# KiCad board EOutside.kicad_pcb (continued)
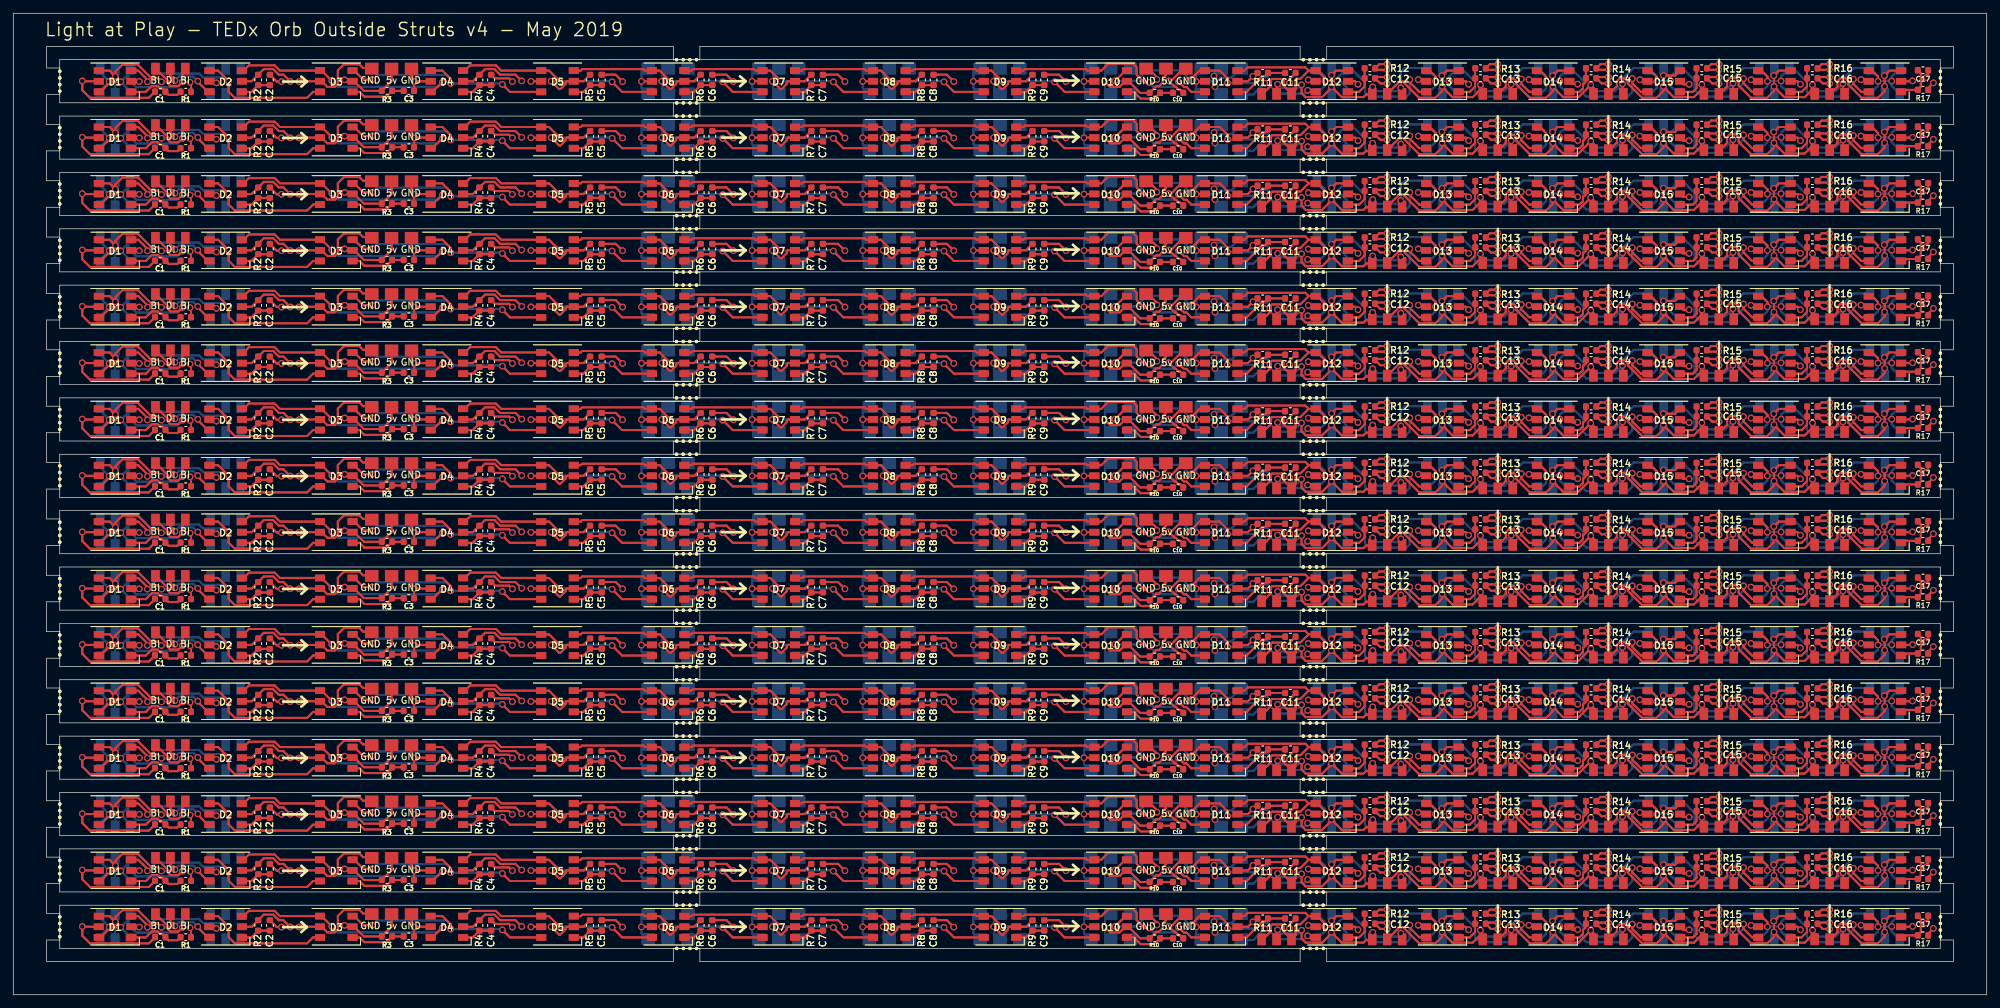
[diagram p0: board, top side]
## Routing (per net, layer and track width the routed paths; a pad name or vN(x,y) marks a point on that pad's centre or on a via; arc(x,y) is an arc through that point) (continued)
Net-(D16-Pad3): length 1778.9
  Top w0.3: 265.28,138.56 v1(265.25,138.59) ; 265.28,138.56 v1(265.28,136.97) ; 265.28,138.56 v1(265.25,138.59) ; 265.28,138.56 v1(265.28,136.97) ; v1(265.25,138.59) 265.75,139.09 ; v1(265.25,138.59) 265.75,139.09 ; v1(265.28,136.97) 265.28,136.27 ; v1(265.28,136.97) 265.28,136.27 ; 266,139.35 265.75,139.09 ; 266,139.35 D16.3 266,139.35 ; 266,139.35 265.75,139.09 ; 280.95,138.46 280.06,139.35 ; 280.95,138.46 v1(280.95,137.75) 280.95,138.46 ; 280.95,138.46 280.06,139.35 ; 280.06,139.35 279.55,139.35 280.06,139.35 ; 280.95,129.96 280.06,130.85 ; 280.95,129.96 v1(280.95,129.25) 280.95,129.96 ; 280.95,129.96 280.06,130.85 ; 280.06,130.85 279.55,130.85 280.06,130.85 ; 265.28,130.06 v1(265.25,130.09) ; 265.28,130.06 v1(265.28,128.47) ; 265.28,130.06 v1(265.28,128.47) ; 265.28,130.06 v1(265.25,130.09) ; v1(265.25,130.09) 265.75,130.59 ; v1(265.25,130.09) 265.75,130.59 ; v1(265.28,128.47) 265.28,127.77 ; v1(265.28,128.47) 265.28,127.77 ; 266,130.85 265.75,130.59 ; 266,130.85 D16#2.3 266,130.85 ; 266,130.85 265.75,130.59 ; 266.84,126.85 265.27,128.42 266.84,126.85 ; 266.84,126.85 269.9,126.85 ; 266.84,126.85 269.9,126.85 ; 271.08,128.02 v1(271.08,128.73) 271.08,128.02 ; 271.08,128.02 269.9,126.85 ; 271.08,128.02 269.9,126.85 ; 264.27,126.75 261.82,126.75 ; 264.27,126.75 265.28,127.77 ; 264.27,126.75 265.28,127.77 ; 264.27,126.75 261.82,126.75 ; 261.82,126.75 259.95,128.62 ; 261.82,126.75 259.95,128.62 ; 258.23,128.48 257,127.25 258.23,128.48 ; 258.23,128.48 258.23,129.35 ; 258.23,128.48 258.23,129.35 ; 259.95,129.34 259.54,129.75 ; 259.95,129.34 259.95,128.62 ; 259.95,129.34 259.95,128.62 ; 259.95,129.34 259.54,129.75 ; 259.54,129.75 258.63,129.75 ; 259.54,129.75 258.63,129.75 ; 258.63,129.75 258.23,129.35 ; 258.63,129.75 258.23,129.35 ; 275.68,127.49 275.92,127.25 275.68,127.49 ; 275.68,127.49 275.68,128.19 ; 275.68,127.49 275.68,128.19 ; 275.68,128.19 v1(275.68,128.9) 275.68,128.19 ; 280.95,121.46 280.06,122.35 ; 280.95,121.46 v1(280.95,120.75) 280.95,121.46 ; 280.95,121.46 280.06,122.35 ; 280.06,122.35 279.55,122.35 280.06,122.35 ; 265.28,121.56 v1(265.25,121.59) ; 265.28,121.56 v1(265.28,119.97) ; 265.28,121.56 v1(265.25,121.59) ; 265.28,121.56 v1(265.28,119.97) ; v1(265.25,121.59) 265.75,122.09 ; v1(265.25,121.59) 265.75,122.09 ; v1(265.28,119.97) 265.28,119.27 ; v1(265.28,119.97) 265.28,119.27 ; 266,122.35 265.75,122.09 ; 266,122.35 D16#3.3 266,122.35 ; 266,122.35 265.75,122.09 ; 266.84,118.35 265.27,119.92 266.84,118.35 ; 266.84,118.35 269.9,118.35 ; 266.84,118.35 269.9,118.35 ; 271.08,119.52 v1(271.08,120.23) 271.08,119.52 ; 271.08,119.52 269.9,118.35 ; 271.08,119.52 269.9,118.35 ; 264.27,118.25 261.82,118.25 ; 264.27,118.25 265.28,119.27 ; 264.27,118.25 261.82,118.25 ; 264.27,118.25 265.28,119.27 ; 261.82,118.25 259.95,120.12 ; 261.82,118.25 259.95,120.12 ; 258.23,119.98 257,118.75 258.23,119.98 ; 258.23,119.98 258.23,120.85 ; 258.23,119.98 258.23,120.85 ; 259.95,120.84 259.54,121.25 ; 259.95,120.84 259.95,120.12 ; 259.95,120.84 259.54,121.25 ; 259.95,120.84 259.95,120.12 ; 259.54,121.25 258.63,121.25 ; 259.54,121.25 258.63,121.25 ; 258.63,121.25 258.23,120.85 ; 258.63,121.25 258.23,120.85 ; 275.68,118.99 275.92,118.75 275.68,118.99 ; 275.68,118.99 275.68,119.69 ; 275.68,118.99 275.68,119.69 ; 275.68,119.69 v1(275.68,120.4) 275.68,119.69 ; 280.06,113.85 279.55,113.85 280.06,113.85 ; 280.06,113.85 280.95,112.96 ; 280.06,113.85 280.95,112.96 ; 266,113.85 265.75,113.59 ; 266,113.85 D16#4.3 266,113.85 ; 266,113.85 265.75,113.59 ; 265.75,113.59 v1(265.25,113.09) ; 265.75,113.59 v1(265.25,113.09) ; 275.68,111.19 v1(275.68,111.9) 275.68,111.19 ; 275.68,111.19 275.68,110.49 ; 275.68,111.19 275.68,110.49 ; v1(265.28,111.47) 265.28,113.06 ; v1(265.28,111.47) 265.28,110.77 ; v1(265.28,111.47) 265.28,113.06 ; v1(265.28,111.47) 265.28,110.77 ; 265.28,113.06 v1(265.25,113.09) ; 265.28,113.06 v1(265.25,113.09) ; 280.95,112.96 v1(280.95,112.25) 280.95,112.96 ; 275.68,110.49 275.92,110.25 275.68,110.49 ; 261.82,109.75 259.95,111.62 ; 261.82,109.75 264.27,109.75 ; 261.82,109.75 259.95,111.62 ; 261.82,109.75 264.27,109.75 ; 259.95,111.62 259.95,112.34 ; 259.95,111.62 259.95,112.34 ; 259.54,112.75 258.63,112.75 ; 259.54,112.75 259.95,112.34 ; 259.54,112.75 258.63,112.75 ; 259.54,112.75 259.95,112.34 ; 258.63,112.75 258.23,112.35 ; 258.63,112.75 258.23,112.35 ; 258.23,112.35 258.23,111.48 ; 258.23,112.35 258.23,111.48 ; 258.23,111.48 257,110.25 258.23,111.48 ; 265.28,110.77 264.27,109.75 ; 265.28,110.77 264.27,109.75 ; 266.84,109.85 269.9,109.85 ; 266.84,109.85 265.27,111.42 266.84,109.85 ; 266.84,109.85 269.9,109.85 ; 269.9,109.85 271.08,111.02 ; 269.9,109.85 271.08,111.02 ; 271.08,111.02 v1(271.08,111.73) 271.08,111.02 ; 266.84,135.35 265.27,136.92 266.84,135.35 ; 266.84,135.35 269.9,135.35 ; 266.84,135.35 269.9,135.35 ; 271.08,136.52 v1(271.08,137.23) 271.08,136.52 ; 271.08,136.52 269.9,135.35 ; 271.08,136.52 269.9,135.35 ; 264.27,135.25 261.82,135.25 ; 264.27,135.25 265.28,136.27 ; 264.27,135.25 261.82,135.25 ; 264.27,135.25 265.28,136.27 ; 261.82,135.25 259.95,137.12 ; 261.82,135.25 259.95,137.12 ; 258.23,136.98 257,135.75 258.23,136.98 ; 258.23,136.98 258.23,137.85 ; 258.23,136.98 258.23,137.85 ; 259.95,137.84 259.54,138.25 ; 259.95,137.84 259.95,137.12 ; 259.95,137.84 259.54,138.25 ; 259.95,137.84 259.95,137.12 ; 259.54,138.25 258.63,138.25 ; 259.54,138.25 258.63,138.25 ; 258.63,138.25 258.23,137.85 ; 258.63,138.25 258.23,137.85 ; 275.68,135.99 275.92,135.75 275.68,135.99 ; 275.68,135.99 275.68,136.69 ; 275.68,135.99 275.68,136.69 ; 275.68,136.69 v1(275.68,137.4) 275.68,136.69 ; 280.95,104.46 280.06,105.35 ; 280.95,104.46 v1(280.95,103.75) 280.95,104.46 ; 280.95,104.46 280.06,105.35 ; 280.06,105.35 279.55,105.35 280.06,105.35 ; 265.28,104.56 v1(265.25,104.59) ; 265.28,104.56 v1(265.28,102.97) ; 265.28,104.56 v1(265.28,102.97) ; 265.28,104.56 v1(265.25,104.59) ; v1(265.25,104.59) 265.75,105.09 ; v1(265.25,104.59) 265.75,105.09 ; v1(265.28,102.97) 265.28,102.27 ; v1(265.28,102.97) 265.28,102.27 ; 266,105.35 265.75,105.09 ; 266,105.35 D16#11.3 266,105.35 ; 266,105.35 265.75,105.09 ; 266.84,101.35 265.27,102.92 266.84,101.35 ; 266.84,101.35 269.9,101.35 ; 266.84,101.35 269.9,101.35 ; 271.08,102.52 v1(271.08,103.23) 271.08,102.52 ; 271.08,102.52 269.9,101.35 ; 271.08,102.52 269.9,101.35 ; 264.27,101.25 261.82,101.25 ; 264.27,101.25 265.28,102.27 ; 264.27,101.25 261.82,101.25 ; 264.27,101.25 265.28,102.27 ; 261.82,101.25 259.95,103.12 ; 261.82,101.25 259.95,103.12 ; 258.23,102.98 257,101.75 258.23,102.98 ; 258.23,102.98 258.23,103.85 ; 258.23,102.98 258.23,103.85 ; 259.95,103.84 259.54,104.25 ; 259.95,103.84 259.95,103.12 ; 259.95,103.84 259.54,104.25 ; 259.95,103.84 259.95,103.12 ; 259.54,104.25 258.63,104.25 ; 259.54,104.25 258.63,104.25 ; 258.63,104.25 258.23,103.85 ; 258.63,104.25 258.23,103.85 ; 275.68,101.99 275.92,101.75 275.68,101.99 ; 275.68,101.99 275.68,102.69 ; 275.68,101.99 275.68,102.69 ; 275.68,102.69 v1(275.68,103.4) 275.68,102.69 ; 280.06,96.85 279.55,96.85 280.06,96.85 ; 280.06,96.85 280.95,95.96 ; 280.06,96.85 280.95,95.96 ; 266,96.85 265.75,96.59 ; 266,96.85 D16#13.3 266,96.85 ; 266,96.85 265.75,96.59 ; 265.75,96.59 v1(265.25,96.09) ; 265.75,96.59 v1(265.25,96.09) ; 275.68,94.19 v1(275.68,94.9) 275.68,94.19 ; 275.68,94.19 275.68,93.49 ; 275.68,94.19 275.68,93.49 ; v1(265.28,94.47) 265.28,96.06 ; v1(265.28,94.47) 265.28,93.77 ; v1(265.28,94.47) 265.28,93.77 ; v1(265.28,94.47) 265.28,96.06 ; 265.28,96.06 v1(265.25,96.09) ; 265.28,96.06 v1(265.25,96.09) ; 280.95,95.96 v1(280.95,95.25) 280.95,95.96 ; 275.68,93.49 275.92,93.25 275.68,93.49 ; 261.82,92.75 259.95,94.62 ; 261.82,92.75 264.27,92.75 ; 261.82,92.75 259.95,94.62 ; 261.82,92.75 264.27,92.75 ; 259.95,94.62 259.95,95.34 ; 259.95,94.62 259.95,95.34 ; 259.54,95.75 258.63,95.75 ; 259.54,95.75 259.95,95.34 ; 259.54,95.75 258.63,95.75 ; 259.54,95.75 259.95,95.34 ; 258.63,95.75 258.23,95.35 ; 258.63,95.75 258.23,95.35 ; 258.23,95.35 258.23,94.48 ; 258.23,95.35 258.23,94.48 ; 258.23,94.48 257,93.25 258.23,94.48 ; 265.28,93.77 264.27,92.75 ; 265.28,93.77 264.27,92.75 ; 266.84,92.85 269.9,92.85 ; 266.84,92.85 265.27,94.42 266.84,92.85 ; 266.84,92.85 269.9,92.85 ; 269.9,92.85 271.08,94.02 ; 269.9,92.85 271.08,94.02 ; 271.08,94.02 v1(271.08,94.73) 271.08,94.02 ; 280.06,79.85 279.55,79.85 280.06,79.85 ; 280.06,79.85 280.95,78.96 ; 280.06,79.85 280.95,78.96 ; 266,79.85 265.75,79.59 ; 266,79.85 D16#10.3 266,79.85 ; 266,79.85 265.75,79.59 ; 265.75,79.59 v1(265.25,79.09) ; 265.75,79.59 v1(265.25,79.09) ; 275.68,77.19 v1(275.68,77.9) 275.68,77.19 ; 275.68,77.19 275.68,76.49 ; 275.68,77.19 275.68,76.49 ; v1(265.28,77.47) 265.28,79.06 ; v1(265.28,77.47) 265.28,76.77 ; v1(265.28,77.47) 265.28,79.06 ; v1(265.28,77.47) 265.28,76.77 ; 265.28,79.06 v1(265.25,79.09) ; 265.28,79.06 v1(265.25,79.09) ; 280.95,78.96 v1(280.95,78.25) 280.95,78.96 ; 275.68,76.49 275.92,76.25 275.68,76.49 ; 261.82,75.75 259.95,77.62 ; 261.82,75.75 264.27,75.75 ; 261.82,75.75 259.95,77.62 ; 261.82,75.75 264.27,75.75 ; 259.95,77.62 259.95,78.34 ; 259.95,77.62 259.95,78.34 ; 259.54,78.75 258.63,78.75 ; 259.54,78.75 259.95,78.34 ; 259.54,78.75 258.63,78.75 ; 259.54,78.75 259.95,78.34 ; 258.63,78.75 258.23,78.35 ; 258.63,78.75 258.23,78.35 ; 258.23,78.35 258.23,77.48 ; 258.23,78.35 258.23,77.48 ; 258.23,77.48 257,76.25 258.23,77.48 ; 265.28,76.77 264.27,75.75 ; 265.28,76.77 264.27,75.75 ; 266.84,75.85 269.9,75.85 ; 266.84,75.85 265.27,77.42 266.84,75.85 ; 266.84,75.85 269.9,75.85 ; 269.9,75.85 271.08,77.02 ; 269.9,75.85 271.08,77.02 ; 271.08,77.02 v1(271.08,77.73) 271.08,77.02 ; 280.95,87.46 280.06,88.35 ; 280.95,87.46 v1(280.95,86.75) 280.95,87.46 ; 280.95,87.46 280.06,88.35 ; 280.06,88.35 279.55,88.35 280.06,88.35 ; 265.28,87.56 v1(265.25,87.59) ; 265.28,87.56 v1(265.28,85.97) ; 265.28,87.56 v1(265.25,87.59) ; 265.28,87.56 v1(265.28,85.97) ; v1(265.25,87.59) 265.75,88.09 ; v1(265.25,87.59) 265.75,88.09 ; v1(265.28,85.97) 265.28,85.27 ; v1(265.28,85.97) 265.28,85.27 ; 266,88.35 265.75,88.09 ; 266,88.35 D16#9.3 266,88.35 ; 266,88.35 265.75,88.09 ; 266.84,84.35 265.27,85.92 266.84,84.35 ; 266.84,84.35 269.9,84.35 ; 266.84,84.35 269.9,84.35 ; 271.08,85.52 v1(271.08,86.23) 271.08,85.52 ; 271.08,85.52 269.9,84.35 ; 271.08,85.52 269.9,84.35 ; 264.27,84.25 261.82,84.25 ; 264.27,84.25 265.28,85.27 ; 264.27,84.25 261.82,84.25 ; 264.27,84.25 265.28,85.27 ; 261.82,84.25 259.95,86.12 ; 261.82,84.25 259.95,86.12 ; 258.23,85.98 257,84.75 258.23,85.98 ; 258.23,85.98 258.23,86.85 ; 258.23,85.98 258.23,86.85 ; 259.95,86.84 259.54,87.25 ; 259.95,86.84 259.95,86.12 ; 259.95,86.84 259.54,87.25 ; 259.95,86.84 259.95,86.12 ; 259.54,87.25 258.63,87.25 ; 259.54,87.25 258.63,87.25 ; 258.63,87.25 258.23,86.85 ; 258.63,87.25 258.23,86.85 ; 275.68,84.99 275.92,84.75 275.68,84.99 ; 275.68,84.99 275.68,85.69 ; 275.68,84.99 275.68,85.69 ; 275.68,85.69 v1(275.68,86.4) 275.68,85.69 ; 258.23,52.85 258.23,51.98 ; 258.23,52.85 258.63,53.25 ; 258.23,52.85 258.63,53.25 ; 258.23,52.85 258.23,51.98 ; 258.23,51.98 257,50.75 258.23,51.98 ; 259.95,52.12 259.95,52.84 ; 259.95,52.12 261.82,50.25 ; 259.95,52.12 259.95,52.84 ; 259.95,52.12 261.82,50.25 ; 259.95,52.84 259.54,53.25 ; 259.95,52.84 259.54,53.25 ; 258.63,53.25 259.54,53.25 ; 258.63,53.25 259.54,53.25 ; 265.28,51.27 264.27,50.25 ; 265.28,51.27 v1(265.28,51.97) ; 265.28,51.27 v1(265.28,51.97) ; 265.28,51.27 264.27,50.25 ; 264.27,50.25 261.82,50.25 ; 264.27,50.25 261.82,50.25 ; v1(265.28,51.97) 265.28,53.56 ; v1(265.28,51.97) 265.28,53.56 ; 266.84,50.35 269.9,50.35 ; 266.84,50.35 265.27,51.92 266.84,50.35 ; 266.84,50.35 269.9,50.35 ; 269.9,50.35 271.08,51.52 ; 269.9,50.35 271.08,51.52 ; 271.08,51.52 v1(271.08,52.23) 271.08,51.52 ; 275.68,51.69 v1(275.68,52.4) 275.68,51.69 ; 275.68,51.69 275.68,50.99 ; 275.68,51.69 275.68,50.99 ; 275.68,50.99 275.92,50.75 275.68,50.99 ; 280.95,70.46 280.06,71.35 ; 280.95,70.46 v1(280.95,69.75) 280.95,70.46 ; 280.95,70.46 280.06,71.35 ; 280.06,71.35 279.55,71.35 280.06,71.35 ; 266.84,67.35 269.9,67.35 ; 266.84,67.35 265.27,68.92 266.84,67.35 ; 266.84,67.35 269.9,67.35 ; 269.9,67.35 271.08,68.52 ; 269.9,67.35 271.08,68.52 ; 264.27,67.25 261.82,67.25 ; 264.27,67.25 265.28,68.27 ; 264.27,67.25 261.82,67.25 ; 264.27,67.25 265.28,68.27 ; 261.82,67.25 259.95,69.12 ; 261.82,67.25 259.95,69.12 ; 258.63,70.25 258.23,69.85 ; 258.63,70.25 259.54,70.25 ; 258.63,70.25 258.23,69.85 ; 258.63,70.25 259.54,70.25 ; 258.23,69.85 258.23,68.98 ; 258.23,69.85 258.23,68.98 ; 271.08,68.52 v1(271.08,69.23) 271.08,68.52 ; 259.95,69.12 259.95,69.84 ; 259.95,69.12 259.95,69.84 ; 259.95,69.84 259.54,70.25 ; 259.95,69.84 259.54,70.25 ; v1(265.28,68.97) 265.28,68.27 ; v1(265.28,68.97) 265.28,70.56 ; v1(265.28,68.97) 265.28,70.56 ; v1(265.28,68.97) 265.28,68.27 ; 258.23,68.98 257,67.75 258.23,68.98 ; 275.68,67.99 275.92,67.75 275.68,67.99 ; 275.68,67.99 275.68,68.69 ; 275.68,67.99 275.68,68.69 ; 275.68,68.69 v1(275.68,69.4) 275.68,68.69 ; 280.06,62.85 279.55,62.85 280.06,62.85 ; 280.06,62.85 280.95,61.96 ; 280.06,62.85 280.95,61.96 ; 266,62.85 265.75,62.59 ; 266,62.85 D16#17.3 266,62.85 ; 266,62.85 265.75,62.59 ; 265.75,62.59 v1(265.25,62.09) ; 265.75,62.59 v1(265.25,62.09) ; 275.68,60.19 v1(275.68,60.9) 275.68,60.19 ; 275.68,60.19 275.68,59.49 ; 275.68,60.19 275.68,59.49 ; v1(265.28,60.47) 265.28,62.06 ; v1(265.28,60.47) 265.28,59.77 ; v1(265.28,60.47) 265.28,59.77 ; v1(265.28,60.47) 265.28,62.06 ; 265.28,62.06 v1(265.25,62.09) ; 265.28,62.06 v1(265.25,62.09) ; 280.95,61.96 v1(280.95,61.25) 280.95,61.96 ; 275.68,59.49 275.92,59.25 275.68,59.49 ; 261.82,58.75 259.95,60.62 ; 261.82,58.75 264.27,58.75 ; 261.82,58.75 259.95,60.62 ; 261.82,58.75 264.27,58.75 ; 259.95,60.62 259.95,61.34 ; 259.95,60.62 259.95,61.34 ; 259.54,61.75 258.63,61.75 ; 259.54,61.75 259.95,61.34 ; 259.54,61.75 258.63,61.75 ; 259.54,61.75 259.95,61.34 ; 258.63,61.75 258.23,61.35 ; 258.63,61.75 258.23,61.35 ; 258.23,61.35 258.23,60.48 ; 258.23,61.35 258.23,60.48 ; 258.23,60.48 257,59.25 258.23,60.48 ; 265.28,59.77 264.27,58.75 ; 265.28,59.77 264.27,58.75 ; 266.84,58.85 269.9,58.85 ; 266.84,58.85 265.27,60.42 266.84,58.85 ; 266.84,58.85 269.9,58.85 ; 269.9,58.85 271.08,60.02 ; 269.9,58.85 271.08,60.02 ; 271.08,60.02 v1(271.08,60.73) 271.08,60.02 ; 265.75,71.09 v1(265.25,70.59) ; 265.75,71.09 266,71.35 ; 265.75,71.09 266,71.35 ; 265.75,71.09 v1(265.25,70.59) ; v1(265.25,70.59) 265.28,70.56 ; v1(265.25,70.59) 265.28,70.56 ; 266,71.35 D16#21.3 266,71.35 ; 280.06,45.85 279.55,45.85 280.06,45.85 ; 280.06,45.85 280.95,44.96 ; 280.06,45.85 280.95,44.96 ; 266,45.85 265.75,45.59 ; 266,45.85 D16#18.3 266,45.85 ; 266,45.85 265.75,45.59 ; 265.75,45.59 v1(265.25,45.09) ; 265.75,45.59 v1(265.25,45.09) ; 275.68,43.19 v1(275.68,43.9) 275.68,43.19 ; 275.68,43.19 275.68,42.49 ; 275.68,43.19 275.68,42.49 ; v1(265.28,43.47) 265.28,45.06 ; v1(265.28,43.47) 265.28,42.77 ; v1(265.28,43.47) 265.28,45.06 ; v1(265.28,43.47) 265.28,42.77 ; 265.28,45.06 v1(265.25,45.09) ; 265.28,45.06 v1(265.25,45.09) ; 280.95,44.96 v1(280.95,44.25) 280.95,44.96 ; 275.68,42.49 275.92,42.25 275.68,42.49 ; 261.82,41.75 259.95,43.62 ; 261.82,41.75 264.27,41.75 ; 261.82,41.75 259.95,43.62 ; 261.82,41.75 264.27,41.75 ; 259.95,43.62 259.95,44.34 ; 259.95,43.62 259.95,44.34 ; 259.54,44.75 258.63,44.75 ; 259.54,44.75 259.95,44.34 ; 259.54,44.75 258.63,44.75 ; 259.54,44.75 259.95,44.34 ; 258.63,44.75 258.23,44.35 ; 258.63,44.75 258.23,44.35 ; 258.23,44.35 258.23,43.48 ; 258.23,44.35 258.23,43.48 ; 258.23,43.48 257,42.25 258.23,43.48 ; 265.28,42.77 264.27,41.75 ; 265.28,42.77 264.27,41.75 ; 266.84,41.85 269.9,41.85 ; 266.84,41.85 265.27,43.42 266.84,41.85 ; 266.84,41.85 269.9,41.85 ; 269.9,41.85 271.08,43.02 ; 269.9,41.85 271.08,43.02 ; 271.08,43.02 v1(271.08,43.73) 271.08,43.02 ; 280.95,53.46 280.06,54.35 ; 280.95,53.46 v1(280.95,52.75) 280.95,53.46 ; 280.95,53.46 280.06,54.35 ; 280.06,54.35 279.55,54.35 280.06,54.35 ; 265.28,53.56 v1(265.25,53.59) ; 265.28,53.56 v1(265.25,53.59) ; v1(265.25,53.59) 265.75,54.09 ; v1(265.25,53.59) 265.75,54.09 ; 266,54.35 265.75,54.09 ; 266,54.35 D16#20.3 266,54.35 ; 266,54.35 265.75,54.09 ; 266,20.35 D16#28.3 266,20.35 ; 266,20.35 265.75,20.09 ; 266,20.35 265.75,20.09 ; 265.75,20.09 v1(265.25,19.59) ; 265.75,20.09 v1(265.25,19.59) ; v1(265.25,19.59) 265.28,19.56 ; v1(265.25,19.59) 265.28,19.56 ; v1(265.28,17.97) 265.28,19.56 ; v1(265.28,17.97) 265.28,17.27 ; v1(265.28,17.97) 265.28,19.56 ; v1(265.28,17.97) 265.28,17.27 ; 280.95,19.46 v1(280.95,18.75) 280.95,19.46 ; 280.95,19.46 280.06,20.35 ; 280.95,19.46 280.06,20.35 ; 280.06,20.35 279.55,20.35 280.06,20.35 ; 266.84,7.85 265.27,9.42 266.84,7.85 ; 266.84,7.85 269.9,7.85 ; 266.84,7.85 269.9,7.85 ; 280.95,10.96 280.06,11.85 ; 280.95,10.96 v1(280.95,10.25) 280.95,10.96 ; 280.95,10.96 280.06,11.85 ; 280.06,11.85 279.55,11.85 280.06,11.85 ; 265.28,11.06 v1(265.25,11.09) ; 265.28,11.06 v1(265.28,9.47) ; 265.28,11.06 v1(265.25,11.09) ; 265.28,11.06 v1(265.28,9.47) ; v1(265.25,11.09) 265.75,11.59 ; v1(265.25,11.09) 265.75,11.59 ; 266.84,33.35 265.27,34.92 266.84,33.35 ; 266.84,33.35 269.9,33.35 ; 266.84,33.35 269.9,33.35 ; 271.08,34.52 v1(271.08,35.23) 271.08,34.52 ; 271.08,34.52 269.9,33.35 ; 271.08,34.52 269.9,33.35 ; 264.27,33.25 261.82,33.25 ; 264.27,33.25 265.28,34.27 ; 264.27,33.25 261.82,33.25 ; 264.27,33.25 265.28,34.27 ; 261.82,33.25 259.95,35.12 ; 261.82,33.25 259.95,35.12 ; 258.23,34.98 257,33.75 258.23,34.98 ; 258.23,34.98 258.23,35.85 ; 258.23,34.98 258.23,35.85 ; v1(265.28,34.97) 265.28,34.27 ; v1(265.28,34.97) 265.28,36.56 ; v1(265.28,34.97) 265.28,36.56 ; v1(265.28,34.97) 265.28,34.27 ; 259.95,35.84 259.54,36.25 ; 259.95,35.84 259.95,35.12 ; 259.95,35.84 259.95,35.12 ; 259.95,35.84 259.54,36.25 ; 259.54,36.25 258.63,36.25 ; 259.54,36.25 258.63,36.25 ; 258.63,36.25 258.23,35.85 ; 258.63,36.25 258.23,35.85 ; 275.68,33.99 275.92,33.75 275.68,33.99 ; 275.68,33.99 275.68,34.69 ; 275.68,33.99 275.68,34.69 ; 275.68,34.69 v1(275.68,35.4) 275.68,34.69 ; 280.95,36.46 280.06,37.35 ; 280.95,36.46 v1(280.95,35.75) 280.95,36.46 ; 280.95,36.46 280.06,37.35 ; 280.06,37.35 279.55,37.35 280.06,37.35 ; 265.28,36.56 v1(265.25,36.59) ; 265.28,36.56 v1(265.25,36.59) ; 266,37.35 265.75,37.09 ; 266,37.35 D16#27.3 266,37.35 ; 266,37.35 265.75,37.09 ; 265.75,37.09 v1(265.25,36.59) ; 265.75,37.09 v1(265.25,36.59) ; 275.68,17.69 v1(275.68,18.4) 275.68,17.69 ; 275.68,17.69 275.68,16.99 ; 275.68,17.69 275.68,16.99 ; 275.68,16.99 275.92,16.75 275.68,16.99 ; 266.84,16.35 265.27,17.92 266.84,16.35 ; 266.84,16.35 269.9,16.35 ; 266.84,16.35 269.9,16.35 ; 271.08,17.52 v1(271.08,18.23) 271.08,17.52 ; 271.08,17.52 269.9,16.35 ; 271.08,17.52 269.9,16.35 ; 264.27,16.25 261.82,16.25 ; 264.27,16.25 265.28,17.27 ; 264.27,16.25 261.82,16.25 ; 264.27,16.25 265.28,17.27 ; 261.82,16.25 259.95,18.12 ; 261.82,16.25 259.95,18.12 ; 258.23,17.98 257,16.75 258.23,17.98 ; 258.23,17.98 258.23,18.85 ; 258.23,17.98 258.23,18.85 ; 259.95,18.84 259.54,19.25 ; 259.95,18.84 259.95,18.12 ; 259.95,18.84 259.54,19.25 ; 259.95,18.84 259.95,18.12 ; 259.54,19.25 258.63,19.25 ; 259.54,19.25 258.63,19.25 ; 258.63,19.25 258.23,18.85 ; 258.63,19.25 258.23,18.85 ; 266,11.85 265.75,11.59 ; 266,11.85 D16#26.3 266,11.85 ; 266,11.85 265.75,11.59 ; 275.68,9.19 v1(275.68,9.9) 275.68,9.19 ; 275.68,9.19 275.68,8.49 ; 275.68,9.19 275.68,8.49 ; v1(265.28,9.47) 265.28,8.77 ; v1(265.28,9.47) 265.28,8.77 ; 275.68,8.49 275.92,8.25 275.68,8.49 ; 261.82,7.75 259.95,9.62 ; 261.82,7.75 264.27,7.75 ; 261.82,7.75 259.95,9.62 ; 261.82,7.75 264.27,7.75 ; 259.95,9.62 259.95,10.34 ; 259.95,9.62 259.95,10.34 ; 259.54,10.75 258.63,10.75 ; 259.54,10.75 259.95,10.34 ; 259.54,10.75 258.63,10.75 ; 259.54,10.75 259.95,10.34 ; 258.63,10.75 258.23,10.35 ; 258.63,10.75 258.23,10.35 ; 258.23,10.35 258.23,9.48 ; 258.23,10.35 258.23,9.48 ; 258.23,9.48 257,8.25 258.23,9.48 ; 265.28,8.77 264.27,7.75 ; 265.28,8.77 264.27,7.75 ; 269.9,7.85 271.08,9.02 ; 269.9,7.85 271.08,9.02 ; 271.08,9.02 v1(271.08,9.73) 271.08,9.02 ; 280.06,28.85 279.55,28.85 280.06,28.85 ; 280.06,28.85 280.95,27.96 ; 280.06,28.85 280.95,27.96 ; 266,28.85 265.75,28.59 ; 266,28.85 D16#25.3 266,28.85 ; 266,28.85 265.75,28.59 ; 265.75,28.59 v1(265.25,28.09) ; 265.75,28.59 v1(265.25,28.09) ; 275.68,26.19 v1(275.68,26.9) 275.68,26.19 ; 275.68,26.19 275.68,25.49 ; 275.68,26.19 275.68,25.49 ; v1(265.28,26.47) 265.28,28.06 ; v1(265.28,26.47) 265.28,25.77 ; v1(265.28,26.47) 265.28,28.06 ; v1(265.28,26.47) 265.28,25.77 ; 265.28,28.06 v1(265.25,28.09) ; 265.28,28.06 v1(265.25,28.09) ; 271.08,26.02 v1(271.08,26.73) 271.08,26.02 ; 271.08,26.02 269.9,24.85 ; 271.08,26.02 269.9,24.85 ; 266.84,24.85 265.27,26.42 266.84,24.85 ; 266.84,24.85 269.9,24.85 ; 266.84,24.85 269.9,24.85 ; 280.95,27.96 v1(280.95,27.25) 280.95,27.96 ; 275.68,25.49 275.92,25.25 275.68,25.49 ; 261.82,24.75 259.95,26.62 ; 261.82,24.75 264.27,24.75 ; 261.82,24.75 259.95,26.62 ; 261.82,24.75 264.27,24.75 ; 259.95,26.62 259.95,27.34 ; 259.95,26.62 259.95,27.34 ; 259.54,27.75 258.63,27.75 ; 259.54,27.75 259.95,27.34 ; 259.54,27.75 258.63,27.75 ; 259.54,27.75 259.95,27.34 ; 258.63,27.75 258.23,27.35 ; 258.63,27.75 258.23,27.35 ; 258.23,27.35 258.23,26.48 ; 258.23,27.35 258.23,26.48 ; 258.23,26.48 257,25.25 258.23,26.48 ; 265.28,25.77 264.27,24.75 ; 265.28,25.77 264.27,24.75 ; 279.8,139.35 279.8,139.26 279.8,139.35 ; 279.8,130.85 279.8,130.76 279.8,130.85 ; 279.8,122.35 279.8,122.26 279.8,122.35 ; 279.8,113.85 279.8,113.76 279.8,113.85 ; 279.8,105.35 279.8,105.26 279.8,105.35 ; 279.8,96.85 279.8,96.76 279.8,96.85 ; 279.8,79.85 279.8,79.76 279.8,79.85 ; 279.8,88.35 279.8,88.26 279.8,88.35 ; 279.8,71.35 279.8,71.26 279.8,71.35 ; 279.8,62.85 279.8,62.76 279.8,62.85 ; 279.8,45.85 279.8,45.76 279.8,45.85 ; 279.8,54.35 279.8,54.26 279.8,54.35 ; 279.8,20.35 279.8,20.26 279.8,20.35 ; 279.8,11.85 279.8,11.76 279.8,11.85 ; 279.8,37.35 279.8,37.26 279.8,37.35 ; 279.8,28.85 279.8,28.76 279.8,28.85